# Altium PCB Brake Module PCB.PcbDoc (continued)
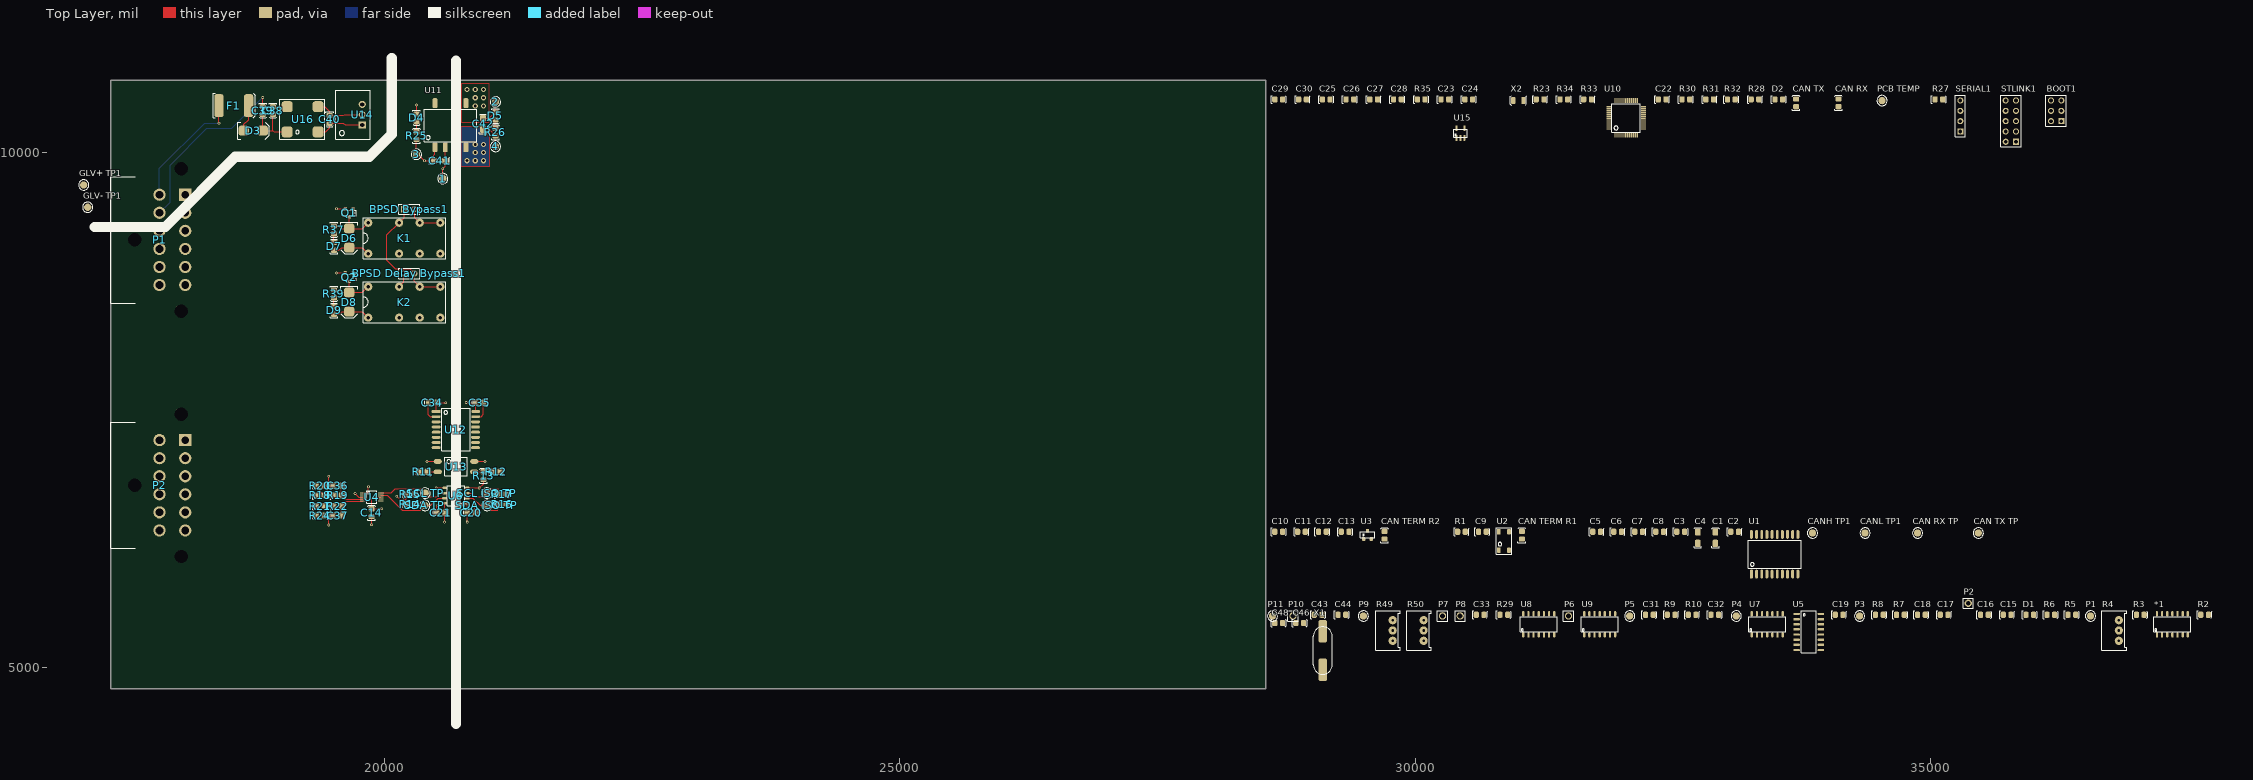
[diagram p0: Top Layer view]
## Components (designator, comment, footprint, x,y, rotation, side; value= is the part's Value field where it differs from the comment) (continued)
U12 "ADuM1400" "AD 16-SOIC" 20697.02,7262 r270 top
U13 "LTV-817S-TA1" "ON 4-SMD" 20707.84,6953 r0 top
U14 "R-78C5.0-1.0" "RECOM 3-SIP" 19788.37,10266.88 r90 top
U15 "RT9193-33GB" "RICHTEK SOT-23-5" 30442.37,10181.37 r0 top
U16 "744272121" "Wurth 4-PC Pad" 19360.02,10444.05 r180 top
X1 "8MHz" "Abracon HC-49/US" 29106,5169 r90 top
X2 "32.768kHz" "EPSON 2-SMD" 31002,10505 r0 top

## Footprints (in the part's own frame and the unit in brackets; to place one, negate y for a bottom-side part, rotate by r counter-clockwise, add the part's x,y. Pads: shape width x height; smd on the part's side, far side on the other; paste and mask are expansions set on the pad)
0805 [mil]
  rrect50% 51.18x59.06 smd: 1(-37.87,-1.03) 2(36.93,-1.03)
  silkscreen extent -73,-37 71,37, body extent -39,-26 39,26, height 29
"0805 LED" [mil]
  rrect50% 51.18x59.06 smd: A(-37.87,-1.03) K(36.93,-1.03)
  silkscreen extent -73,-37 71,37, body extent -43,-25 35,25, height 39
1206 [mm]
  rrect50% 1.8x1.4 smd: 1(-2.6,0) 2(0.2,0)
  silkscreen extent -3.7,-0.9 1.2,0.9, body extent -2.9,-0.9 0.5,0.9, height 1.85
2920 [mm]
  rrect50% 2.3x5.6 smd: 1(0,0) 2(7.3,0)
  silkscreen extent -1.4,-3 9,3, body extent -0.34,-2.81 7.64,2.81, height 1.14
"Abracon HC-49/US" [mm]
  rrect50% 5.6x2.1 smd: 1(-4.75,0) 2(4.75,0)
  silkscreen extent -5.85,-2.35 5.85,2.35, body extent -6.35,-2.35 6.35,2.35, height 4.06
"AD 16-SOIC" [mil]
  rrect50% 28x85 smd: 1(-225,-192.02)
  oval 28x85 smd: 2(-175,-192.02) 3(-125,-192.02) 4(-75,-192.02) 5(-25,-192.02) 6(25,-192.02) 7(75,-192.02) 8(125,-192.02) 9(125,190) 10(75,189.96) 11(25,189.96) 12(-25,189.96) 13(-75,189.96) 14(-125,189.96) 15(-175,191.98) 16(-225,191.98)
  silkscreen extent -257,-138 155,138, body extent -256,-209 156,209, height 104
"AD SOIC-W 20" [mil]
  rrect50% 28x85 smd: 1(-225,-192.02)
  oval 28x85 smd: 2(-175,-192.02) 3(-125,-192.02) 4(-75,-192.02) 5(-25,-192.02) 6(25,-192.02) 7(75,-192.02) 8(125,-192.02) 9(175,-192.02) 10(225,-192.02) 11(225,192.02) 12(175,191.98) 13(125,191.98) 14(75,191.98) 15(25,191.98) 16(-25,191.98) 17(-75,191.98) 18(-125,191.98) 19(-175,191.98) 20(-225,191.98)
  silkscreen extent -257,-138 256,138, body extent -260,-210 260,210, height 105
"B 3296" [mil]
  round 80 hole 25.2: 1(-103.39,-22) 2(-3.39,-22) 3(96.61,-22)
  silkscreen extent -193,-97 187,143, body extent -191,-97 184,143, height 455
DT13-12P [mm]
  round 3 hole 3.3 unplated: 0(-6.405,5.33) 0(11.135,-6.1) 0(28.675,5.33)
  rect 3x3 hole 1.9: 1(0,6.35)
  round 3 hole 1.9: 2(4.45,6.35) 3(8.9,6.35) 4(13.35,6.35) 5(17.8,6.35) 6(22.25,6.35) 7(22.25,0) 8(17.8,0) 9(13.35,0) 10(8.9,0) 11(4.45,0) 12(0,0)
  silkscreen extent -4.45,-12 26.7,-6, body extent -18.6,-34.7 40.6,9.5, height 37.63
"EPSON 2-SMD" [mm]
  rrect50% 1x1.8 smd: 1(-1.25,0) 2(1.25,0)
  silkscreen extent -2,-1.2 2,1.2, body extent -1.5,-1 1.5,1, height 1
"ON 4-SMD" [mm] "SOP, 4-Leads, Body 3.85x4.4mm, Pitch 2.54mm, IPC Medium Density"
  oval 2x1.2 smd: 1(-4.75,1.27) 2(-4.75,-1.27) 3(4.25,-1.27) 4(4.25,1.27)
  silkscreen extent -3,-2.25 2.5,2.25, body extent -5.33,-2.3 4.83,2.3, height 4.6
"ON 16-SOIC" [mm]
  rrect50% 1.6x0.58 smd: 1(-2.89,0) 2(-2.89,-1.27) 3(-2.89,-2.54) 4(-2.89,-3.81) 5(-2.89,-5.08) 6(-2.89,-6.35) 7(-2.89,-7.62) 8(-2.89,-8.89) 9(3.14,-8.89) 10(3.14,-7.62) 11(3.14,-6.35) 12(3.14,-5.08) 13(3.14,-3.81) 14(3.14,-2.54) 15(3.14,-1.27) 16(3.14,0)
  silkscreen extent -1.75,-9.5 2,0.75, body extent -3.09,-9.4 3.14,0.6, height 1.75
"ON SOT-23" [mm] "NUP2105L"
  rrect50% 0.8x0.9 smd: 1(-0.95,-1) 2(0.95,-1) 3(0,1)
  silkscreen extent -1.75,-0.65 1.75,0.75, body extent -1.5,-1.27 1.5,1.28, height 1
"ON SOT-23 MOSFET" [mm] "NUP2105L"
  rrect50% 0.8x0.9 smd: D(0,1) G(-0.95,-1) S(0.95,-1)
  silkscreen extent -1.75,-0.65 1.75,0.75, body extent -1.5,-1.27 1.5,1.28, height 1
"RECOM 3-SIP" [mm] "12 to 42 Vdc In, 9 Vdc Out"
  rect 1.75x1.75 hole 1: 1(0,0)
  round 1.75 hole 1: 2(2.54,0) 3(5.08,0)
  silkscreen extent -3.5,-2 8.5,6.5, body extent -3.26,-2.02 8.34,6.48, height 11.41
"RECOM 8-SMD (5 Pin)" [mm]
  rrect50% 1.2x2.4 smd: 1(-3.81,-5.4) 2(-1.27,-5.4) 4(3.81,-5.4) 5(3.81,5.5) 8(-3.81,5.5)
  silkscreen extent -6.5,-4 6.5,4, body extent -6.37,-5.55 6.38,5.55, height 9.2
"RICHTEK SOT-23-5" [mil]
  rrect50% 19x58 smd: 1(-39.37,-39.37) 2(-1.97,-39.37) 3(35.43,-39.37) 4(35.43,53.63) 5(-39.37,53.63)
  silkscreen extent -69,-31 64,46, body extent -62,-51 58,67, height 57
"SMB Diode" [mm]
  rrect50% 2.5x2.5 smd: A(-0.25,0) K(4.45,0)
  silkscreen extent -1.75,-2.1 6,2.1, body extent -0.69,-1.97 4.9,1.97, height 2.5
"SMD Test Point" [mm]
  round 1.8 smd: 1(0,0)
  silkscreen extent -1.27,-1.27 1.27,1.27
"STM 48-LQFP" [mm]
  rrect50% 0.3x1.2 smd: 1(-2.75,-4.25) 2(-2.25,-4.25) 3(-1.75,-4.25) 4(-1.25,-4.25) 5(-0.75,-4.25) 6(-0.25,-4.25) 7(0.25,-4.25) 8(0.75,-4.25) 9(1.25,-4.25) 10(1.75,-4.25) 11(2.25,-4.25) 12(2.75,-4.25) 25(2.75,4.25) 26(2.25,4.25) 27(1.75,4.25) 28(1.25,4.25) 29(0.75,4.25) 30(0.25,4.25) 31(-0.25,4.25) 32(-0.75,4.25) 33(-1.25,4.25) 34(-1.75,4.25) 35(-2.25,4.25) 36(-2.75,4.25)
  rrect50% 1.2x0.3 smd: 13(4.25,-2.75) 14(4.25,-2.25) 15(4.25,-1.75) 16(4.25,-1.25) 17(4.25,-0.75) 18(4.25,-0.25) 19(4.25,0.25) 20(4.25,0.75) 21(4.25,1.25) 22(4.25,1.75) 23(4.25,2.25) 24(4.25,2.75) 37(-4.25,2.75) 38(-4.25,2.25) 39(-4.25,1.75) 40(-4.25,1.25) 41(-4.25,0.75) 42(-4.25,0.25) 43(-4.25,-0.25) 44(-4.25,-0.75) 45(-4.25,-1.25) 46(-4.25,-1.75) 47(-4.25,-2.25) 48(-4.25,-2.75)
  silkscreen extent -3.5,-3.5 3.5,3.5, body extent -4.6,-4.6 4.6,4.6, height 1.6
"TDK 4-PC Pad" [mm]
  rrect50% 1.35x0.9 smd: 1(0,0) 2(0,-2.5) 3(4.55,-2.5) 4(4.55,0)
  silkscreen extent -1,-3.2 5.5,0.7, body extent -0.02,-2.82 4.48,0.38, height 2.8
"TH 2.54mm Header 1x2" [mm]
  rect 1.5x1.5 hole 0.9: 1(0,0)
  round 1.5 hole 0.9: 2(2.54,0)
  silkscreen extent -1.27,-1.27 3.81,1.27
"TH 2.54mm Header 1x4" [mm]
  rect 1.5x1.5 hole 0.9: 1(0,0)
  round 1.5 hole 0.9: 2(2.54,0) 3(5.08,0) 4(7.62,0)
  silkscreen extent -1.27,-1.27 8.89,1.27
"TH 2.54mm Header 2x3" [mm]
  rect 1.5x1.5 hole 0.9: 1(0,0)
  round 1.5 hole 0.9: 2(0,2.54) 3(2.54,0) 4(2.54,2.54) 5(5.08,0) 6(5.08,2.54)
  silkscreen extent -1.27,-1.27 6.35,3.81
"TH 2.54mm Header 2x5" [mm]
  rect 1.5x1.5 hole 0.9: 1(0,0)
  round 1.5 hole 0.9: 2(0,2.54) 3(2.54,0) 4(2.54,2.54) 5(5.08,0) 6(5.08,2.54) 7(7.62,0) 8(7.62,2.54) 9(10.16,0) 10(10.16,2.54)
  silkscreen extent -1.27,-1.27 11.43,3.81
"TH Test Point" [mm]
  round 1.8 hole 1.2: 1(0,0)
  silkscreen extent -1.27,-1.27 1.27,1.27
"TI 2-DIL" [mil]
  round 80 hole 35.43: 1(-350,-150) 4(-50,-150) 6(150,-150) 8(350,-150) 9(350,150) 11(150,150) 13(-50,150) 16(-350,150)
  silkscreen extent -400,-200 400,200, body extent -398,-197 398,197, height 450
"TI 8-SOIC" [mm]
  oval 1.2x0.6 smd: 1(-9.677,2.54) 2(-9.677,1.27) 3(-9.677,0) 4(-9.677,-1.27) 5(-4.089,-1.27) 6(-4.089,0) 7(-4.089,1.27) 8(-4.089,2.54)
  silkscreen extent -9,-1.78 -4.75,3.17, body extent -9.96,-1.87 -3.76,3.14, height 1.76
"TI 10-VSSOP" [mm]
  rrect50% 1.45x0.3 smd: 1(-2.2,1) 2(-2.2,0.5) 3(-2.2,0) 4(-2.2,-0.5) 5(-2.2,-1) 6(2.2,-1) 7(2.2,-0.5) 8(2.2,0) 9(2.2,0.5) 10(2.2,1)
  silkscreen extent -1.25,-1.5 1.25,1.5, body extent -2.45,-1.5 2.45,1.5, height 1.12
"TI 14-SOIC" [mil]
  oval 22x52 smd: 1(-750,102.36) 2(-700,102.36) 3(-650,102.36) 4(-600,102.36) 5(-550,102.36) 6(-500,102.36) 7(-450,102.36) 8(-450,307.09) 9(-500,307.09) 10(-550,307.09) 11(-600,307.09) 12(-650,307.09) 13(-700,307.09) 14(-750,307.09)
  silkscreen extent -780,130 -420,280, body extent -770,86 -430,323, height 69
"Wurth 4-PC Pad" [mm]
  rrect50% 2.7x2.7 smd: 1(7.62,6.22) 2(0,6.22) 3(0,0) 4(7.62,0)
  silkscreen extent -1.7,-1.8 9.4,8, body extent -1.19,-1.24 8.81,7.46, height 6.2

## Part data
1 2 3 4 "CAN RX TP" "CAN TX TP" "CANH TP1" "CANL TP1" "GLV+ TP1" "GLV- TP1" P1 P3 P4 P5 P9 P11 "PCB TEMP" "SCL ISO TP" "SCL TP" "SDA ISO TP" "SDA TP": library part "SMD Test Point", Angle=0, Contact=NA, Flange=No, Part Number="SMD Test Point", Pitch=0mm, Positions=1, Row Spacing=0
*1: "IC OSC TIMER DUAL 100KHZ 14SOIC", Digikey Part Number=296-26240-1-ND, Manufacturer="Texas Instruments", Digikey Link=https://www.digikey.com/product-detail/en/texas-instruments/NE556DR/296-26240-1-ND/2254905, Part Number=NE556DR
BOOT1: library part "TH 2.54mm Header 2x3", Angle=0, Contact=NA, Flange=No, Part Number="TH 2.54mm Header 2x3", Pitch=2.54mm, Positions=6, Row Spacing=2.54mm
"BPSD Bypass1" "BPSD Delay Bypass1": library part "TH 2.54mm Header 1x2", Angle=0, Contact=NA, Flange=No, Part Number="TH 2.54mm Header 1x2", Pitch=2.54mm, Positions=2, Row Spacing=2.54mm
C1 C4: library part GCM3195C2A103JA16D, Digikey Part Number=490-4978-2-ND, Manufacturer=muRata, Rated Voltage=100V, Tolerance=5%, Material=Ceramic, Part Number=GCM3195C2A103JA16D
C2 C3 C6 C8 C14 C19 C20 C21 C22 C26 C27 C28 C31 C32 C33 C34 C35 C36 C37 C43 C44 C46: library part GCM21BR71E104KA37L, Manufacturer=muRata, Rated Voltage=25V, Tolerance=10%, Material=X7R, Part Number=GCM21BR71E104KA37L
C5 C7 C15 C18 C38 C39 C40: library part GRM21BR6YA106KE43L, Digikey Part Number=490-10514-6-ND, Manufacturer=muRata, Rated Voltage=50V, Tolerance=10%, Material=X5R, Part Number=GRM21BR6YA106KE43L
C9 C23 C24 C29 C30: library part GCM21B5C1H220JA37L, Manufacturer=muRata, Rated Voltage=50V, Tolerance=5%, Material=C0G, Part Number=GCM21B5C1H220JA37L
C10 C11 C12 C13: library part GCM21B5C1H101JA37L, Manufacturer=muRata, Rated Voltage=50V, Tolerance=5%, Material=C0G, Part Number=GCM21B5C1H101JA37L
C16 C17: library part GCM21B5C1H100JA37L, Manufacturer=muRata, Rated Voltage=50V, Tolerance=5%, Material=C0G, Part Number=GCM21B5C1H100JA37L
C25: library part AC0805KKX7R8BB105, Manufacturer=YAGEO, Rated Voltage=25V, Tolerance=10%, Material=X7R, Part Number=AC0805KKX7R8BB105
C41 C42: library part CC1206MKX5R7BB226, Digikey Part Number=311-1997-2-ND, Manufacturer=YAGEO, Rated Voltage=16V, Tolerance=20%, Material=Ceramic, Part Number=CC1206MKX5R7BB226
C48: library part GRM21BR61A226ME51L, Digikey Part Number=490-10511-1-ND, Manufacturer=muRata, Rated Voltage=10V, Tolerance=20%, Material=X5R, Part Number=GRM21BR61A226ME51L
"CAN RX" "CAN TX": library part SML-MN2BCTT86C, "LED BLUE CLEAR 2012 SMD", Digikey Part Number=846-1207-1-ND, Manufacturer="ROHM Semiconductor", Colour=Blue, Digikey Link=https://www.digikey.com/product-detail/en/rohm-semiconductor/SMLMN2BCTT86C/846-1207-1-ND/6057239, Part Number=SML-MN2BCTT86C
"CAN TERM R1" "CAN TERM R2": library part RC0805FR0756RL, Manufacturer=YAGEO, Rated Voltage=0.125W, Tolerance=0.01, Material=FR-07, Part Number=RC0805FR0756RL
D1: library part SML-211YTT86, "Yellow LED Indication - Discrete 1.75V 0805 (2012 Metric)", Digikey Part Number=511-1293-1-ND, Manufacturer="ROHM Semiconductor", Colour=Yellow, Digikey Link=https://www.digikey.com/product-detail/en/rohm-semiconductor/SML-211YTT86/511-1293-1-ND/637106, Part Number=SML-211YTT86
D2 D4 D5: library part SML-210LTT86, "Red LED Indication - Discrete 1.75V 0805 (2012 Metric)", Digikey Part Number=511-1286-1-ND, Manufacturer="ROHM Semiconductor", Colour=Red, Digikey Link=https://www.digikey.com/product-detail/en/rohm-semiconductor/SML-210LTT86/511-1286-1-ND/637099, Part Number=SML-210LTT86
D3 D6 D8: "1.2V_F 600V 5A SMB", Digikey Part Number=1655-1530-2-ND, Manufacturer="SMC Diode Solutions", Digikey Link=https://www.digikey.com/product-detail/en/smc-diode-solutions/SD560BTR/1655-1530-2-ND/6022620, Part Number=SD560BTR
D7 D9: library part SML-210FTT86, "Green LED Indication - Discrete 1.75V 0805 (2012 Metric)", Digikey Part Number=511-1285-1-ND, Manufacturer="ROHM Semiconductor", Colour=Green, Digikey Link=https://www.digikey.com/product-detail/en/rohm-semiconductor/SML-210FTT86/511-1285-1-ND/637098, Part Number=SML-210FTT86
F1: "PTC RESET FUSE 60V 1A 292", Digikey Part Number=507-2070-1-ND, Manufacturer="Littelfuse Inc.", Digikey Link=https://www.digikey.com/product-detail/en/bel-fuse-inc/0ZCF0100AF2A/507-2070-1-ND/6210547, Part Number=0ZCF0100AF2A
K1 K2: "5V DPDT Relay 3A 220VDC", Digikey Part Number=PB383-ND, Manufacturer=Axicom, Digikey Link=https://www.digikey.com/products/en?mpart=V23105A5001A201&v=41, Part Number=V23105A5475A201
P1 P2: library part DT13-12P[[/\]]DT13-12P, Digikey Part Number=1734-1451-ND, Angle=90, Contact=Nickel, Digikey Link=https://www.digikey.com.au/product-detail/en/te-connectivity-deutsch-connectors/DT13-12PA/1734-1451-ND/7220123, Flange=Yes, Part Number=DT13-12P, Pitch=4.44mm, Positions=12, Row Spacing=6.35mm
P2 P6 P7 P8 P10: library part "TH Test Point", Angle=0, Contact=NA, Flange=No, Part Number="TH Test Point", Pitch=0mm, Positions=1, Row Spacing=0mm
Q1 Q2: "60V 380mA, NFET MOSTFET (Small Signal)", Digikey Part Number=2N7002KCT-ND, Manufacturer="ON Semiconductor", Digikey Link=https://www.digikey.com/product-detail/en/on-semiconductor/2N7002K/2N7002KCT-ND/2060375, LatestRevisionDate=29-May-2009, LatestRevisionNote="IPC-7351 Footprint Added.", PackageDescription="4-Pin SOT-343 Package 1.3 mm Pitch, 2.1 mm Lead Span", PackageReference=SOT-343, PackageVersion=Sep-2000, Part Number=2N7002K, Published=24-Mar-1999, Publisher="Altium Limited", Qty=30
R1 R18 R21: library part RC0805FR070RL, Manufacturer=YAGEO, Rated Voltage=0.125W, Tolerance=0.01, Material=FR-07, Part Number=RC0805FR070RL
R2 R13 R23 R27 R29 R33 R34: library part RC0805FR0710KL, Manufacturer=YAGEO, Rated Voltage=0.125W, Tolerance=0.01, Material=FR-07, Part Number=RC0805FR0710KL
R3: library part RC0805FR071ML, Manufacturer=YAGEO, Rated Voltage=0.125W, Tolerance=0.01, Material=FR-07, Part Number=RC0805FR071ML
R4 R49 R50: library part 3296W-1-103LF, Digikey Part Number=3296W-103LF-ND, Manufacturer="Bournes Inc", Rated Voltage=0.5W, Tolerance=0.1, Part Number=3296W-1-103LF
R5 R6: library part RC0805FR0720KL, Manufacturer=YAGEO, Rated Voltage=0.125W, Tolerance=0.01, Material=FR-07, Part Number=RC0805FR0720KL
R7: library part RC0805FR071K5L, Manufacturer=YAGEO, Rated Voltage=0.125W, Tolerance=0.01, Material=FR-07, Part Number=RC0805FR071K5L
R8 R9 R10 R14 R15 R16 R17: library part RC0805FR073K3L, Manufacturer=YAGEO, Rated Voltage=0.125W, Tolerance=0.01, Material=FR-07, Part Number=RC0805FR073K3L
R11 R25 R26 R37 R39: library part RC0805FR07680RL, Manufacturer=YAGEO, Rated Voltage=0.125W, Tolerance=0.01, Material=FR-07, Part Number=RC0805FR07680RL
R12: library part RC0805FR07100RL, Manufacturer=YAGEO, Rated Voltage=0.125W, Tolerance=0.01, Material=FR-07, Part Number=RC0805FR07100RL
R19 R22: library part RC0805FR071KL, Manufacturer=YAGEO, Rated Voltage=0.125W, Tolerance=0.01, Material=FR-07, Part Number=RC0805FR071KL
R20 R24: library part RC0805FR07200RL, Manufacturer=YAGEO, Rated Voltage=0.125W, Tolerance=0.01, Material=FR-07, Part Number=RC0805FR07200RL
R28: library part NTCS0805E3103FLT, Digikey Part Number=BC2733CT-ND, Manufacturer="Vishay Beyschlag", Rated Voltage=210mW, Tolerance=0.01, Part Number=NTCS0805E3103FLT
R30 R31 R32: library part RC0805FR07510RL, Manufacturer=YAGEO, Rated Voltage=0.125W, Tolerance=0.01, Material=FR-07, Part Number=RC0805FR07510RL
R35: library part RC0805FR0710ML, Manufacturer=YAGEO, Rated Voltage=0.125W, Tolerance=0.01, Material=FR-07, Part Number=RC0805FR0710ML
SERIAL1: library part "TH 2.54mm Header 1x4", Angle=0, Contact=NA, Flange=No, Part Number="TH 2.54mm Header 1x4", Pitch=2.54mm, Positions=4, Row Spacing=2.54mm
STLINK1: library part "TH 2.54mm Header 2x5", Angle=0, Contact=NA, Flange=No, Part Number="TH 2.54mm Header 2x5", Pitch=2.54mm, Positions=10, Row Spacing=2.54mm
U1: "Isolated CAN Transceiver", Digikey Part Number=ADM3053BRWZ-ND, Manufacturer="Analogue Devices", Digikey Link=https://www.digikey.com/product-detail/en/analog-devices-inc/ADM3053BRWZ/ADM3053BRWZ-ND/2709332, Part Number=ADM3053
U2: "100µH @ 100kHz 2 Line Common Mode Choke Surface Mount 5.8 kOhms @ 10MHz 150mA DCR 2Ohm", Digikey Part Number=495-4598-1-ND, Inductance="100µH @ 100kHz", Manufacturer="EPCOS (TDK)", Rated Current=150mA, Digikey Link=https://www.digikey.com/product-detail/en/epcos-tdk/B82787C0104H002/495-4598-2-ND/3680998, Impedence="5.8 kOhms @ 10MHz", Material=Wirewound, Part Number=B82787C0104H002
U3: "Dual Line CAN Bus Protector", Digikey Part Number=NUP2105LT1GOSCT-ND, Manufacturer="ON Semiconductor", Digikey Link=https://www.digikey.com/product-detail/en/on-semiconductor/NUP2105LT1G/NUP2105LT1GOSCT-ND/1485001, Part Number=NUP2105L
U4: "16 Bit Analog to Digital Converter 2, 4 Input 1 Sigma-Delta 10-VSSOP", Digikey Part Number=296-38849-1-ND, Manufacturer="Texas Instruments", Digikey Link=https://www.digikey.com/product-detail/en/texas-instruments/ADS1115IDGSR/296-38849-1-ND/5142969, Part Number=ADS1115
U5: "IC SHIFT REGISTR 8BIT 3ST 16SOIC", Digikey Part Number=MC74HC595ADR2GOSCT-ND, Manufacturer="ON Semiconductor", Digikey Link=https://www.digikey.com/product-detail/en/on-semiconductor/MC74HC595ADR2G/MC74HC595ADR2GOSCT-ND/1139727, Part Number=MC74HC595ADR2G
U6: "I2C Digital Isolator (Multichannel)", Digikey Part Number=296-34871-1-ND, Manufacturer="Texas Instruments", Digikey Link=https://www.digikey.com/product-detail/en/texas-instruments/ISO1540DR/296-34871-1-ND/3587214, Part Number=ISO1540DR
U7: "IC GATE NAND 1CH 8-INP 14SOIC", Digikey Part Number=296-14521-1-ND, Manufacturer="Texas Instruments", Digikey Link=https://www.digikey.com/product-detail/en/texas-instruments/CD74HC30M96/296-14521-1-ND/555580, Part Number=CD74HC30M96
U8: "NAND Gate IC 4 Channel 14-SOIC", Digikey Part Number=296-1187-2-ND, Manufacturer="Texas Instruments", Digikey Link=https://www.digikey.com.au/product-detail/en/texas-instruments/SN74HC00DR/296-1187-2-ND/276830, Part Number=SN74HC00DR
U9: "Comparator General Purpose Open Collector 14-SOIC", Digikey Part Number=296-6611-2-ND, Manufacturer="Texas Instruments", Digikey Link=https://www.digikey.com/product-detail/en/texas-instruments/LMV339MTX-NOPB/296-35446-1-ND/3739150, Part Number=LMV339IDR
U10: "ARM® Cortex®-M3 STM32F1 Microcontroller IC 32-Bit 72MHz 64KB (64K x 8) FLASH", Digikey Part Number=497-6063-ND, Manufacturer=STMicroelectronics, Digikey Link=https://www.digikey.com/product-detail/en/stmicroelectronics/STM32F103C8T6/497-6063-ND/1646338, Part Number=STM32F103C8T6
U11: "Isolated Module DC DC Converter 1 Output 3.3V 606mA 4.5V - 5.5V Input", Digikey Part Number=945-1764-5-ND, Input Voltage=4.5V-5.5V, Manufacturer=Recom, Output Power=2W, Output Voltage=5V, Digikey Link=https://www.digikey.com/product-detail/en/recom-power/R2S-0505-HP/945-1764-5-ND/2302761, Efficiency=0.85, Isolation=Isolated, Part Number=R2S-0505/HP
U12: "General Purpose Digital Isolator 2500Vrms 4 Channel 1Mbps 25kV/µs CMTI 16-SOIC (0.295\", 7.50mm Width)", Digikey Part Number=ADUM1400WSRWZ-ND, Manufacturer="Analog Devices", Digikey Link=https://www.digikey.com/product-detail/en/analog-devices-inc/ADUM1400WSRWZ/ADUM1400WSRWZ-ND/1873713, Part Number=ADuM1400
U13: "35V 50ma Optocoupler (VF=1.2V)", Digikey Part Number=160-1893-2-ND, Manufacturer="Lite-On Inc", Digikey Link=https://www.digikey.com/product-detail/en/lite-on-inc/LTV-817S-TA1/160-1893-2-ND/388451, Part Number=LTV-817S-TA1
U14: "CONV DC/DC 1A 5V OUT SIP VERT", Digikey Part Number=945-1395-5-ND, Manufacturer=Recom, Digikey Link=https://www.digikey.com.au/product-detail/en/recom-power/R-78C5.0-1.0/945-1395-5-ND/2652148, Isolation=Non-Isolated, Part Number=R-78C5.0-1.0
U15: "IC REG LINEAR 3.3V 300MA SOT23-5", Digikey Part Number=1028-1014-1-ND, Manufacturer=Richtek, Digikey Link=https://www.digikey.com/products/en?keywords=1028-1014-1-ND, Part Number=RT9193-33GB
U16: "120µH @ 100kHz 2 Line Common Mode Choke Surface Mount 460 Ohms @ 30MHz 2.5A DCR 25mOhm", Digikey Part Number=732-1489-1-ND, Inductance="120uH @ 100kHz", Manufacturer="Wurth Electronics Inc", Rated Current=2.5A, Digikey Link=https://www.digikey.com/product-detail/en/w-rth-elektronik/744272121/732-1489-1-ND/1639501, Impedence="460 Ohms @ 30MHz", Material=Wirewound, Part Number=744272121
X1: library part ABLS-8.000MHZ-B4-T, Digikey Part Number=535-10212-2-ND, Load Capacitance=18pF, Manufacturer="Abracon LLC", Digikey Link=https://www.digikey.com/product-detail/en/abracon-llc/ABLS-8.000MHZ-B4-T/535-10212-2-ND/2184155, ESR=80R, Part Number=ABLS-8.000MHZ-B4-T
X2: library part "FC-135 32.7680KA-A5", Digikey Part Number=SER4103TR-ND, Load Capacitance=12.5pF, Manufacturer=EPSON, Digikey Link=https://www.digikey.com/product-detail/en/epson/FC-135-32.7680KA-A5/SER4103TR-ND/5259895, ESR=70k, Part Number="FC-135 32.7680KA-A5"

## Via types
v1: diameter 26, hole 13, Top Layer to Bottom Layer, 23 vias
v2: diameter 50, hole 28, Top Layer to Bottom Layer, 14 vias
v3: diameter 26, hole 16, Top Layer to Bottom Layer, 1 vias

## Nets (pads, with @x,y where several pads share a name; then routed paths per layer and width w, separated by ;. In a path a pad name is that pad's centre, name@x,y a point inside that pad or via, vN(x,y) a via of type N, cw(c..) or ccw(c..) an arc to the next point about the centre after c; other vN are vias at no path point)
0V: 3.1 *1.7 C14.1 C15.1 C16.1 C17.1 C18.1 C19.1 C21.1 C31.1 C32.1 C33.1 C34.1 C36.1 C37.1 C40.1 C41.1 C43.1 C44.1 P2.9 P2.12 Q1.S Q2.S R6.2 R7.1 R20.1 R24.1 R25.1 R29.1 R49.1 R50.1 U4.3 U5.8 U5.13 U6.5 U7.7 U9.12 U11.1 U12.2 U12.8 U14.2 U16.3 | length 2028.7
  Top Layer w8: v1(19719,6692) 19753,6658 U4.3
  Top Layer w10: U16.3 19425.38,10444.05 19472.38,10397.05 C40.1 19605.35,10358.92 19613.31,10366.88 U14.2 ; R24.1 19464.5,6477.97 ; R20.1 19464.5,6767.8 ; v1(19464.5,6386.5) 19464.5,6477.97 ; v1(19464.5,6859.5) 19464.5,6767.8 ; C37.1 19464.5,6477.97 ; C36.1 19464.5,6767.8 ; v1(19539.37,8831.37) Q2.S ; v1(19539.37,9454.37) Q1.S ; v1(19879.03,6388) C14.1 ; R25.1@20314,10125.38 3.1 20330,9982 20391.59,9920.41 v1(20392.7,9920.41) C41.1 20483.76,9972.1 20494,9982.34 U11.1 ; C34.1 20430.2,7456.8 20448.24,7438.76 20503.24,7438.76 U12.2 ; v1(20507,6746) U6.5 ; C21.1 20512.2,6564.87 20522,6574.67 v1(20522,6579)
"0V (ISO)": 4.1 BOOT1.5 BOOT1.6 C1.1 C2.1 C7.1 C8.1 C20.1 C22.1 C23.1 C24.1 C25.1 C26.1 C27.1 C28.1 C29.1 C30.1 C35.1 C42.1 C46.1 C48.1 R13.1 R26.1 R28.1 R31.1 R32.1 SERIAL1.4 STLINK1.1 U1.1 U1.3 U1.7 U1.9 U1.10 U6.4 U10.8 U10.23 U10.35 U10.47 U11.4 U12.9 U12.15 U15.2 | length 740.6
  Top Layer w10: U6.4 v1(20924,6746) 20965.03,6787.03 R13.1 ; v1(20871,6579) 20871,6575.94 20881.8,6565.14 C20.1 ; U12.15 20942,7437 20963.8,7458.8 C35.1 ; C42.1 21018.22,10223 R26.1 4.1
  other v2: 20806.09,9920.41
"3.3V (ISO)": BOOT1.1 BOOT1.2 C25.2 C26.2 C27.2 C28.2 C46.2 D2.A R23.2 R27.2 SERIAL1.1 STLINK1.7 STLINK1.8 U10.1 U10.9 U10.24 U10.36 U10.48 U15.5
"5kW Active": P1.8 P3.1 R8.1 R11.2 U8.4
5V: 1.1 *1.4 *1.10 *1.14 C14.2 C19.2 C21.2 C31.2 C32.2 C34.2 C41.2 D4.A D6.K D7.A D8.K D9.A K1.1 K2.1 P2.7 P2.10 R2.2 R3.2 R5.1 R8.2 R9.2 R10.2 R14.2 R15.2 R49.3 R50.3 U4.1 U4.8 U5.10 U5.16 U6.8 U7.14 U8.14 U9.3 U11.2 U12.1 U13.1 U14.3 | length 2186.5
  Top Layer w8: U4.1 19832.76,6697.37 19849,6713.61 v1(19849,6758) ; C14.2 19879.03,6639.67 19897.36,6658 U4.8
  Top Layer w10: D9.A 19563.74,8430.74 19589.8,8456.8 D8.K 19787.54,8456.8 K2.1 ; D7.A 19561.4,9051.4 19587.46,9077.46 D6.K 19787.54,9077.46 K1.1 ; C14.2 v1(19976,6543.93) ; v1(20124,6664) 20151.17,6636.83 20216.07,6636.83 ; R14.2 20216.07,6636.83 ; R15.2 20216.07,6636.83 ; D4.A v1(20315.2,10460.2) ; v1(20417,7003) U13.1 ; U12.1 C34.2 v3(20596.97,7572.97) ; 1.1 v1(20569.87,9841.67) 20594,9865.8 C41.2 U11.2 ; v1(20587,6415) C21.2 U6.8
"5V (ISO)": 2.1 C1.2 C2.2 C7.2 C8.2 C20.2 C35.2 C42.2 D5.A R16.2 R17.2 U1.6 U1.8 U6.1 U11.5 U12.10 U12.16 U13.4 U15.1 U15.3 | length 708.7
  Top Layer w10: v1(20797,7574.2) C35.2 U12.16 ; v1(20807,6415) C20.2 U6.1 ; U13.4 v1(20979,7003) ; C42.2 21022.06,10333.24 21080.18,10391.35 D5.A 2.1
12V/24V: C40.2 U14.1 U16.2 | length 498
  Top Layer w10: U16.2 19434.04,10199.17 19472.38,10237.5 C40.2 19604.99,10284.12 19622.23,10266.88 U14.1
BOOT0: BOOT1.3 R34.1
BOOT1: BOOT1.4 R33.2
"BSPD OK": *1.8 R5.2
CANH: "CAN TERM R1.2" C11.2 P1.4 U2.1
CANL: "CAN TERM R2.1" C10.2 P1.5 U2.2
CANS: C3.1 C4.1 C5.1 C6.1 C9.1 C10.1 C11.1 C12.1 C13.1 P1.1@18071.65,9590.35 R1.1 U1.11 U1.13 U1.16 U1.20 U3.3
CLOCK: U5.11 U5.12
GLV+: "GLV+ TP1.1" F1.1 P1.12 | length 1184.9
  Top Layer w10: v1(18398.61,10285) F1.1
  Bottom Layer w10: P1.12 17821.65,9846.65 18260,10285 v1(18398.61,10285)
GLV-: "GLV- TP1.1" C38.1 C39.1 P1.11 U16.4 | length 2001.5
  Top Layer w10: v1(18823.8,10533.81) C39.1 C38.1 U16.4
  Bottom Layer w10: P1.11 17924.36,9517.87 17924.36,9876.36 18282,10234 18523.99,10234 v1(18823.8,10533.81)
"HP REF": C43.2 P7.1 R49.2 U4.6 U9.5 U9.9
Net*1_1: *1.1 R2.1 R4.3
Net*1_2: *1.2 C15.2 R4.1 R4.2
Net*1_3: *1.3 C16.2
Net*1_5: *1.5 D1.A P1.1@36552,5504 P2.1@35366,5628 U12.4
Net*1_9: *1.9 Q2.G R6.1
Net*1_11: *1.11 C17.2
Net*1_12: *1.12 *1.13 C18.2 R3.1
"NetBPSD Bypass1_1": "BPSD Bypass1.1" "BPSD Delay Bypass1.2" K1.13 K2.9 K2.11 | length 1232.5
  Top Layer w10: 20194,9448.99 20196,9446.99 20196,9369 K1.13 20028,9201 20028,8957 20111,8874 20247,8874 20293,8828 20293,8751.34 K2.11 K2.9
"NetBPSD Bypass1_2": "BPSD Bypass1.2" K1.9 K1.11 P1.9 | length 351.5
  Top Layer w10: 20294,9448.99 20297,9445.99 20297,9368 K1.11 K1.9
"NetBPSD Delay Bypass1_1": "BPSD Delay Bypass1.1" K2.13 P1.10 | length 148.5
  Top Layer w10: K2.13 20193,8745.34 20193,8826 20194,8827
NetC3_2: C3.2 C4.2 C5.2 C6.2 U1.12 U1.19
NetC9_2: "CAN TERM R1.1" "CAN TERM R2.2" C9.2
NetC12_2: "CANL TP1.1" C12.2 U1.15 U2.3 U3.1
NetC13_2: "CANH TP1.1" C13.2 U1.17 U2.4 U3.2
NetC33_2: C33.2 P4.1 Q1.G R29.2 U7.8 U12.3
NetC36_2: C36.2 P6.1 R19.2 U4.4 U9.4 U9.7 | length 317.1
  Top Layer w8: R19.2 19621.58,6638.31 U4.4
  Top Layer w10: R19.2 C36.2
NetC37_2: C37.2 P10.1 R22.2 U4.5 U9.8 U9.11 | length 321.2
  Top Layer w10: C37.2 R22.2 19633.59,6618.63 U4.5
NetC38_2: C38.2 C39.2 D3.K U16.1 | length 556.4
  Top Layer w10: C39.2 D3.K 18921.2,10211.76 ; C38.2 18921.2,10211.76 ; U16.1 18933.8,10199.17 18921.2,10211.76
NetC48_2: C48.2 U15.4
"NetCAN RX_K": "CAN RX.K" R32.2
"NetCAN TX_K": "CAN TX.K" R31.2
NetD1_K: D1.K R7.2
NetD2_K: D2.K R30.2
NetD3_A: D3.A F1.2 | length 262.9
  Top Layer w10: D3.A 18638.76,10271.76 18686.01,10319.01 F1.2
NetD4_K: D4.K R25.2 | length 97.6
  Top Layer w10: R25.2 D4.K
NetD5_K: D5.K R26.2 | length 81.2
  Top Layer w10: R26.2 D5.K
NetD6_A: D6.A K1.16 Q1.D R37.1 | length 478.7
  Top Layer w10: R37.1 19561.6,9286.6 19585.69,9262.5 D6.A ; Q1.D D6.A ; K1.16 19789.5,9262.5 D6.A
NetD7_K: D7.K R37.2 | length 86.1
  Top Layer w10: R37.2 19514.41,9211.18 19514.41,9126.82 D7.K
NetD8_A: D8.A K2.16 Q2.D R39.1 | length 476.4
  Top Layer w10: R39.1 19568.06,8665.94 19592.16,8641.84 D8.A ; Q2.D D8.A ; K2.16 19789.5,8641.84 D8.A
NetD9_K: D9.K R39.2 | length 86.1
  Top Layer w10: R39.2 19514.41,8590.52 19514.41,8506.16 D9.K
NetP2_8: P2.8 R18.1
NetP2_11: P2.11 R21.1
NetP5_1: P5.1 U5.14 U8.8
NetP9_1: P9.1 R9.1 U8.1 U8.2 U9.2 U9.14 U12.5
NetP11_1: P11.1 R10.1 U8.10 U9.1 U9.13 U12.6
NetR1_2: R1.2 U1.18
NetR11_1: R11.1 U13.2 | length 101
  Top Layer w10: R11.1 U13.2
NetR12_1: R12.1 R13.2 U13.3 | length 173.8
  Top Layer w10: U13.3 R13.2 R12.1
NetR14_1: "SDA TP.1" R14.1 U4.9 U6.7 | length 785.7
  Top Layer w10: U4.9@19967.61,6677.37 20032.63,6677.37 20178.68,6531.32 20290.87,6531.32 ; R14.1 20290.87,6531.32 ; U6.7 20524,6646 20455,6577 20397,6577 20351.32,6531.32 20290.87,6531.32
NetR15_1: "SCL TP.1" R15.1 U4.10 U6.6 | length 738.6
  Top Layer w10: U4.10 20067.37,6697.37 20110,6740 20290.87,6740 ; R15.1 20290.87,6740 ; U6.6 20543,6696 20510,6663 20432.43,6663 20399,6696.43 20398.82,6696.43 20355.25,6740 20290.87,6740
NetR18_2: R18.2 R19.1 R20.2 | length 217.5
  Top Layer w10: R20.2 19382,6728.87 19382,6710.8 R18.2 R19.1
NetR21_2: R21.2 R22.1 R24.2 | length 216.7
  Top Layer w10: R24.2 19380.92,6515.82 19380.92,6533.06 R21.2 R22.1
NetR33_1: R33.1 U10.20
NetR34_2: R34.2 U10.44
NetU5_1: U5.1 U7.2
NetU5_2: U5.2 U7.3
NetU5_3: U5.3 U7.4
NetU5_4: U5.4 U7.5
NetU5_5: U5.5 U7.6
NetU5_6: U5.6 U7.11
NetU5_7: U5.7 U7.12
NetU5_15: U5.15 U7.1
NetU8_3: U8.3 U8.5
NetU8_6: U8.6 U8.9
NRST: R23.1 STLINK1.2 U10.7
PA0: U10.10
PA1: U10.11
PA2: U10.12
PA3: U10.13
PA4: U10.14
PA5: U10.15
PA6: U10.16
PA7: U10.17
PA8: U10.29
PA9: SERIAL1.2 U10.30
PA10: SERIAL1.3 U10.31
PA15: U10.38
PB0: U10.18
PB1: "PCB TEMP.1" C22.2 R27.1 R28.2 U10.19
PB3: U10.39
PB4: "CAN TX.A" U10.40
PB5: "CAN RX.A" U10.41
PB6: "SCL ISO TP.1" R17.1 U6.3 U10.42 | length 399.5
  Top Layer w10: U6.3 20848,6696 20883,6661 20962.57,6661 20998,6696.43 21040.57,6739 21101.14,6739 21107,6733.14 21107,6683.2 R17.1
PB7: "SDA ISO TP.1" R16.1 U6.2 U10.43 | length 400.6
  Top Layer w10: U6.2 20860.72,6646 20930.72,6576 20998,6576 21042,6532 21101.34,6532 21107.2,6537.86 R16.1
PB8: "CAN TX TP.1" U1.5 U10.45
PB9: "CAN RX TP.1" U1.4 U10.46
PB10: U10.21
PB11: R12.2 U10.22
PB12: U10.25 U12.14
PB13: U10.26 U12.13
PB14: U10.27 U12.12
PB15: U10.28 U12.11
PC13: R30.1 U10.2
"SHORT REF": C44.2 P8.1 R50.2 U4.7 U9.6 U9.10
SWCLK: STLINK1.3 U10.37
SWDIO: STLINK1.5 U10.34
Trigger: *1.6
USBDM: U10.32
USBDP: U10.33
XTALA: C29.2 R35.1 U10.5 X1.1
XTALB: C30.2 R35.2 U10.6 X1.2
XTALC: C23.2 U10.3 X2.1
XTALD: C24.2 U10.4 X2.2
pads on no net: K1.4 K1.6 K1.8 K2.4 K2.6 K2.8 P1.0 P1.2 P1.3 P1.6 P1.7 P2.0 P2.1@18071.65,7210.04 P2.2 P2.3 P2.4 P2.5 P2.6 STLINK1.4 STLINK1.6 STLINK1.9 STLINK1.10 U1.2 U1.14 U4.2 U5.9 U7.9 U7.10 U7.13 U8.7 U8.11 U8.12 U8.13 U11.8 U12.7
copper on no net:
  other v2: 20884.83,9920.41 20963.57,9920.41 20884.83,9999.15 20963.57,9999.15 20884.83,10077.89 20963.57,10077.89 20884.83,10451.91 20963.57,10451.91 20884.83,10530.65 20963.57,10530.65 20806.09,10609.39 20884.83,10609.39 20963.57,10609.39

## Polygon pours and split planes (outlines as drawn)
"0V (ISO)" on Top Layer "0V_(ISO)_L01_P003" (solid, pour order 3): 20747.03,10255.06 21022.62,10255.06 21022.62,9861.35 20747.03,9861.35
"5V (ISO)" on Top Layer "5V_(ISO)_L01_P001" (solid, pour order 1): 20747.03,10668.44 20747.03,10294.43 21022.62,10294.43 21022.62,10668.44
no net on Top Layer "NONET_L01_P002" (solid, pour order 2): 20767.72,10059.06
no net on Top Layer "NONET_L01_P000" (solid, pour order 0): 11385,5
"0V (ISO)" on Int1 (GND) (split plane): 28529.9,4820.1 20747.08,4820.1 20747.08,10679.9 28529.9,10679.9
0V on Int1 (GND) (split plane): 20646.92,4820.1 17370.1,4820.1 17370.1,10679.9 20646.92,10679.9
"5V (ISO)" on Int2 (PWR) (split plane): 28529.9,4820.1 20747.08,4820.1 20747.08,10679.9 28529.9,10679.9
5V on Int2 (PWR) (split plane): 20646.92,4820.1 17370.1,4820.1 17370.1,10679.9 20646.92,10679.9

## Other copper
Bottom Layer:
  region: 21022.62,9861.35 20747.03,9861.35 20747.03,10255.06 21022.62,10255.06
Int1 (GND) (plane layer: these items are gaps in the copper):
  lines w100: 20697,4458.5 20697,10892
Int2 (PWR) (plane layer: these items are gaps in the copper):
  lines w100: 20697,4458.5 20697,10892

## Silkscreen, mask and mechanical layers (free items; w line width, h text height)
Top Overlay:
  lines w100: 17193,9277 17877,9277 18558,9958 19857,9958 20076,10177 20076,10916 ; 20697,4458.5 20697,10892